# KiCad board ENV_KB_RGB.kicad_pcb
title: EnvKB; date: 2021-04-06; rev: Rev.1
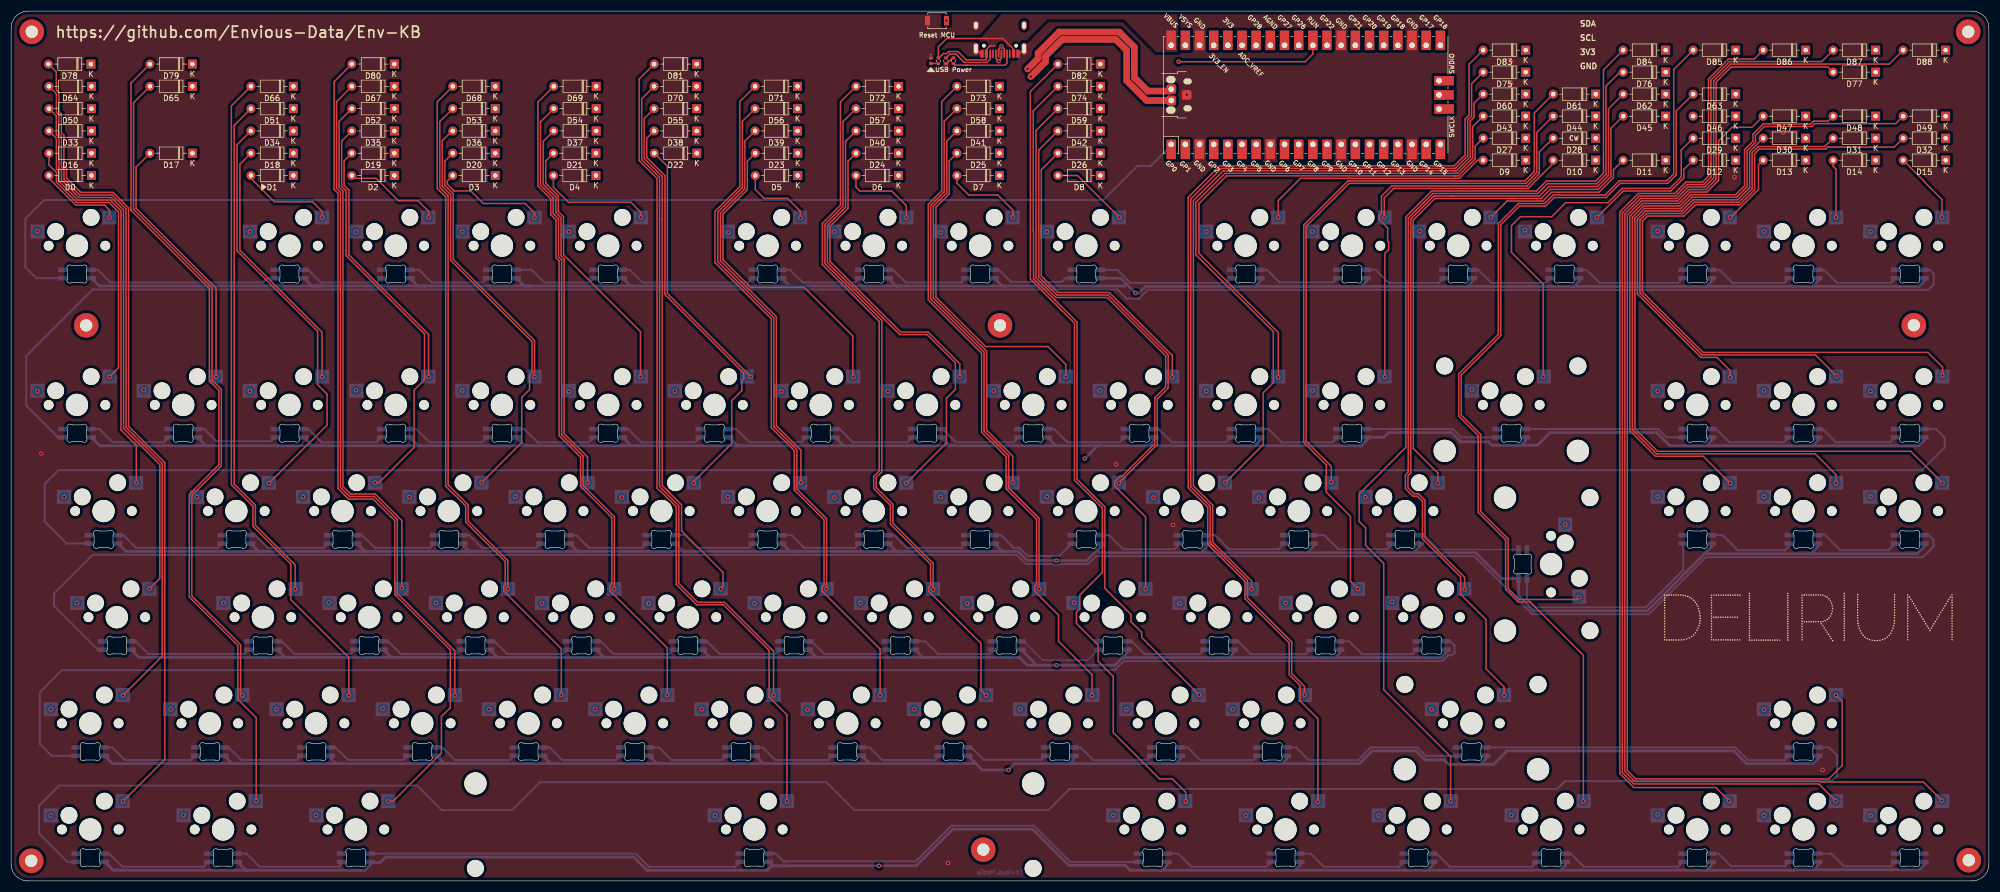
[diagram p0: board, top side]
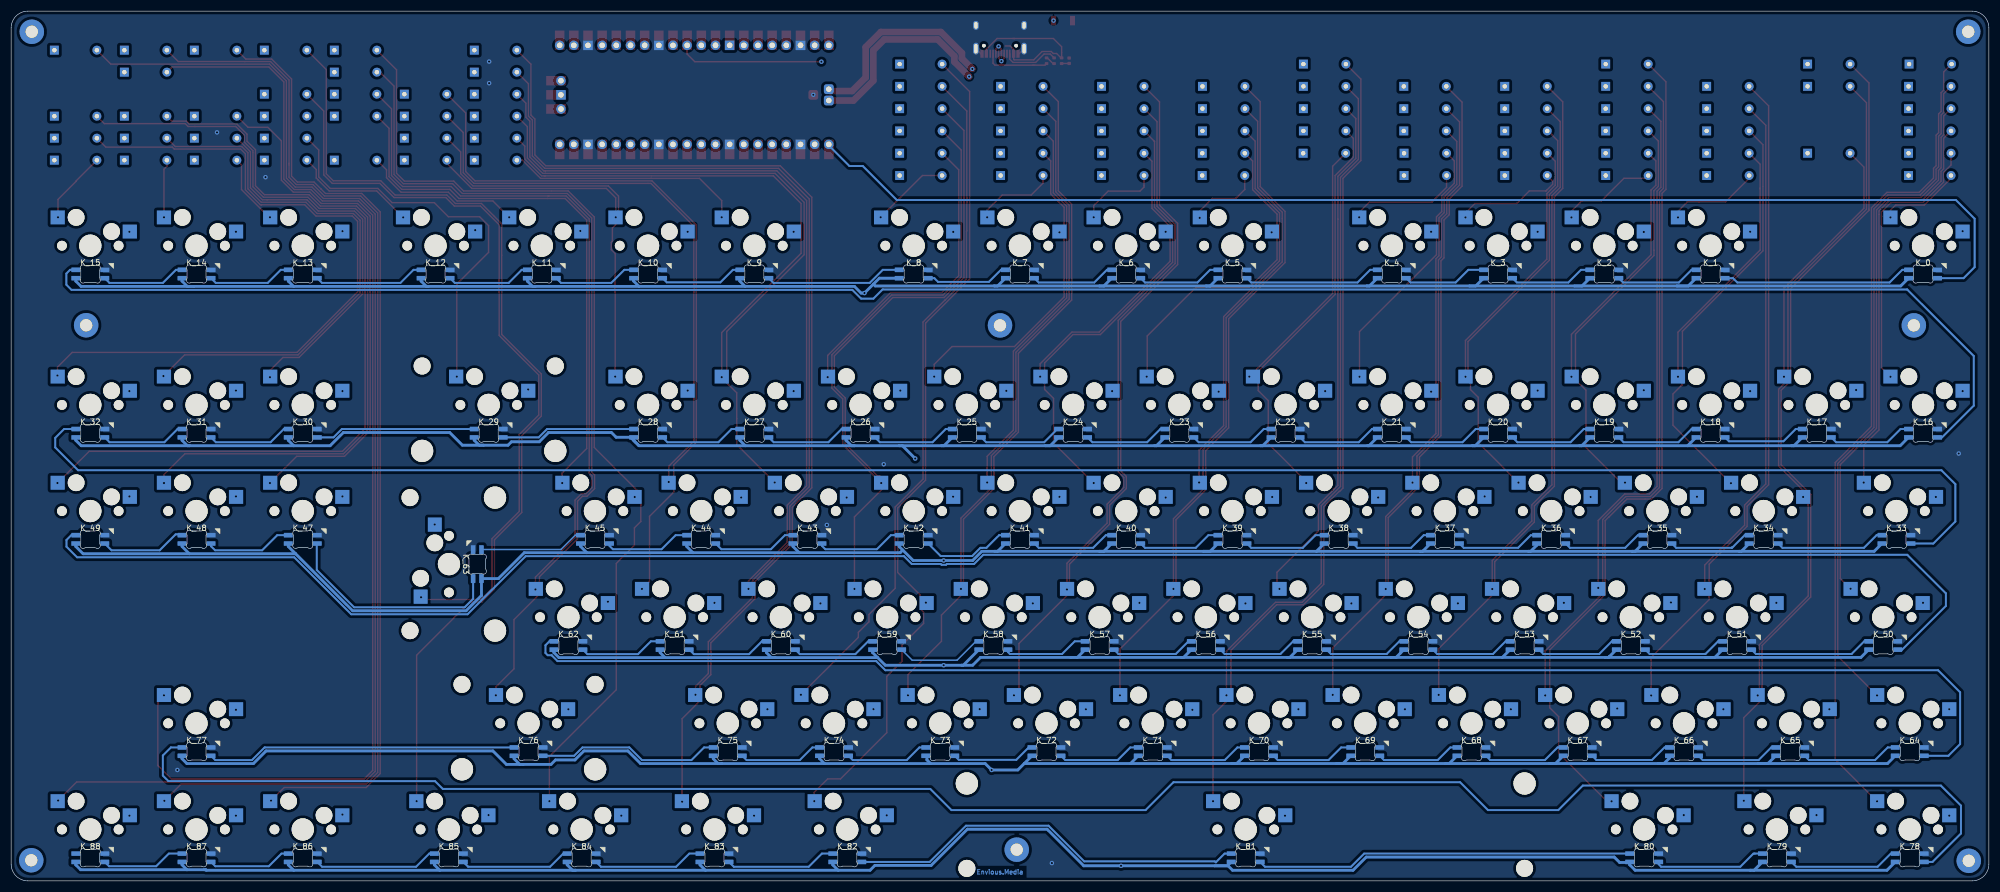
[diagram p1: board, bottom side, seen from below]

Outline 354.6 x 156.1 mm; copper layers: Top, In1.Cu, In2.Cu, Bottom. Coordinates in mm from the lower left corner of the outline.
Outline path: 0,153.1 arc(0.88,155.22) 3,156.1 351.6,156.1 arc(353.72,155.22) 354.6,153.1 354.6,3 arc(353.72,0.88) 351.6,0 3,0 arc(0.88,0.88) 0,3 0,153.1

## Placement (name value [footprint] x y rotation side)
D0  D  [D_DO-35_SOD27_P7.62mm_Horizontal]  14.4 126.6 180 top
D1  D  [D_DO-35_SOD27_P7.62mm_Horizontal]  50.6 126.6 180 top
D2  D  [D_DO-35_SOD27_P7.62mm_Horizontal]  68.7 126.6 180 top
D3  D  [D_DO-35_SOD27_P7.62mm_Horizontal]  86.8 126.6 180 top
D4  D  [D_DO-35_SOD27_P7.62mm_Horizontal]  104.85 126.6 180 top
D5  D  [D_DO-35_SOD27_P7.62mm_Horizontal]  141.04 126.6 180 top
D6  D  [D_DO-35_SOD27_P7.62mm_Horizontal]  159.1 126.6 180 top
D7  D  [D_DO-35_SOD27_P7.62mm_Horizontal]  177.2 126.6 180 top
D8  D  [D_DO-35_SOD27_P7.62mm_Horizontal]  195.3 126.6 180 top
D9  D  [D_DO-35_SOD27_P7.62mm_Horizontal]  271.55 129.35 180 top
D10  D  [D_DO-35_SOD27_P7.62mm_Horizontal]  284.1 129.35 180 top
D11  D  [D_DO-35_SOD27_P7.62mm_Horizontal]  296.65 129.35 180 top
D12  D  [D_DO-35_SOD27_P7.62mm_Horizontal]  309.2 129.35 180 top
D13  D  [D_DO-35_SOD27_P7.62mm_Horizontal]  321.75 129.35 180 top
D14  D  [D_DO-35_SOD27_P7.62mm_Horizontal]  334.3 129.35 180 top
D15  D  [D_DO-35_SOD27_P7.62mm_Horizontal]  346.85 129.35 180 top
D16  D  [D_DO-35_SOD27_P7.62mm_Horizontal]  14.4 130.6 180 top
D17  D  [D_DO-35_SOD27_P7.62mm_Horizontal]  32.5 130.6 180 top
D18  D  [D_DO-35_SOD27_P7.62mm_Horizontal]  50.6 130.6 180 top
D19  D  [D_DO-35_SOD27_P7.62mm_Horizontal]  68.7 130.6 180 top
D20  D  [D_DO-35_SOD27_P7.62mm_Horizontal]  86.8 130.6 180 top
D21  D  [D_DO-35_SOD27_P7.62mm_Horizontal]  104.85 130.6 180 top
D22  D  [D_DO-35_SOD27_P7.62mm_Horizontal]  122.94 130.6 180 top
D23  D  [D_DO-35_SOD27_P7.62mm_Horizontal]  141.03 130.6 180 top
D24  D  [D_DO-35_SOD27_P7.62mm_Horizontal]  159.1 130.6 180 top
D25  D  [D_DO-35_SOD27_P7.62mm_Horizontal]  177.2 130.6 180 top
D26  D  [D_DO-35_SOD27_P7.62mm_Horizontal]  195.3 130.6 180 top
D27  D  [D_DO-35_SOD27_P7.62mm_Horizontal]  271.55 133.3 180 top
D28  D  [D_DO-35_SOD27_P7.62mm_Horizontal]  284.1 133.3 180 top
D29  D  [D_DO-35_SOD27_P7.62mm_Horizontal]  309.2 133.3 180 top
D30  D  [D_DO-35_SOD27_P7.62mm_Horizontal]  321.75 133.3 180 top
D31  D  [D_DO-35_SOD27_P7.62mm_Horizontal]  334.3 133.3 180 top
D32  D  [D_DO-35_SOD27_P7.62mm_Horizontal]  346.85 133.3 180 top
D33  D  [D_DO-35_SOD27_P7.62mm_Horizontal]  14.4 134.6 180 top
D34  D  [D_DO-35_SOD27_P7.62mm_Horizontal]  50.6 134.6 180 top
D35  D  [D_DO-35_SOD27_P7.62mm_Horizontal]  68.7 134.6 180 top
D36  D  [D_DO-35_SOD27_P7.62mm_Horizontal]  86.8 134.6 180 top
D37  D  [D_DO-35_SOD27_P7.62mm_Horizontal]  104.9 134.6 180 top
D38  D  [D_DO-35_SOD27_P7.62mm_Horizontal]  122.9 134.6 180 top
D39  D  [D_DO-35_SOD27_P7.62mm_Horizontal]  141 134.6 180 top
D40  D  [D_DO-35_SOD27_P7.62mm_Horizontal]  159.1 134.6 180 top
D41  D  [D_DO-35_SOD27_P7.62mm_Horizontal]  177.2 134.6 180 top
D42  D  [D_DO-35_SOD27_P7.62mm_Horizontal]  195.3 134.6 180 top
D43  D  [D_DO-35_SOD27_P7.62mm_Horizontal]  271.55 137.25 180 top
D44  D  [D_DO-35_SOD27_P7.62mm_Horizontal]  284.1 137.25 180 top
D45  D  [D_DO-35_SOD27_P7.62mm_Horizontal]  296.65 137.25 180 top
D46  D  [D_DO-35_SOD27_P7.62mm_Horizontal]  309.2 137.25 180 top
D47  D  [D_DO-35_SOD27_P7.62mm_Horizontal]  321.75 137.25 180 top
D48  D  [D_DO-35_SOD27_P7.62mm_Horizontal]  334.3 137.25 180 top
D49  D  [D_DO-35_SOD27_P7.62mm_Horizontal]  346.85 137.25 180 top
D50  D  [D_DO-35_SOD27_P7.62mm_Horizontal]  14.4 138.6 180 top
D51  D  [D_DO-35_SOD27_P7.62mm_Horizontal]  50.6 138.6 180 top
D52  D  [D_DO-35_SOD27_P7.62mm_Horizontal]  68.7 138.6 180 top
D53  D  [D_DO-35_SOD27_P7.62mm_Horizontal]  86.8 138.6 180 top
D54  D  [D_DO-35_SOD27_P7.62mm_Horizontal]  104.9 138.6 180 top
D55  D  [D_DO-35_SOD27_P7.62mm_Horizontal]  122.9 138.6 180 top
D56  D  [D_DO-35_SOD27_P7.62mm_Horizontal]  141 138.6 180 top
D57  D  [D_DO-35_SOD27_P7.62mm_Horizontal]  159.1 138.6 180 top
D58  D  [D_DO-35_SOD27_P7.62mm_Horizontal]  177.2 138.6 180 top
D59  D  [D_DO-35_SOD27_P7.62mm_Horizontal]  195.3 138.6 180 top
D60  D  [D_DO-35_SOD27_P7.62mm_Horizontal]  271.55 141.2 180 top
D61  D  [D_DO-35_SOD27_P7.62mm_Horizontal]  284.1 141.2 180 top
D62  D  [D_DO-35_SOD27_P7.62mm_Horizontal]  296.65 141.2 180 top
D63  D  [D_DO-35_SOD27_P7.62mm_Horizontal]  309.2 141.2 180 top
D64  D  [D_DO-35_SOD27_P7.62mm_Horizontal]  14.4 142.6 180 top
D65  D  [D_DO-35_SOD27_P7.62mm_Horizontal]  32.5 142.6 180 top
D66  D  [D_DO-35_SOD27_P7.62mm_Horizontal]  50.6 142.6 180 top
D67  D  [D_DO-35_SOD27_P7.62mm_Horizontal]  68.7 142.6 180 top
D68  D  [D_DO-35_SOD27_P7.62mm_Horizontal]  86.8 142.6 180 top
D69  D  [D_DO-35_SOD27_P7.62mm_Horizontal]  104.9 142.6 180 top
D70  D  [D_DO-35_SOD27_P7.62mm_Horizontal]  122.9 142.6 180 top
D71  D  [D_DO-35_SOD27_P7.62mm_Horizontal]  141 142.6 180 top
D72  D  [D_DO-35_SOD27_P7.62mm_Horizontal]  159.1 142.6 180 top
D73  D  [D_DO-35_SOD27_P7.62mm_Horizontal]  177.2 142.6 180 top
D74  D  [D_DO-35_SOD27_P7.62mm_Horizontal]  195.3 142.6 180 top
D75  D  [D_DO-35_SOD27_P7.62mm_Horizontal]  271.55 145.15 180 top
D76  D  [D_DO-35_SOD27_P7.62mm_Horizontal]  296.65 145.15 180 top
D77  D  [D_DO-35_SOD27_P7.62mm_Horizontal]  334.3 145.15 180 top
D78  D  [D_DO-35_SOD27_P7.62mm_Horizontal]  14.3 146.6 180 top
D79  D  [D_DO-35_SOD27_P7.62mm_Horizontal]  32.5 146.6 180 top
D80  D  [D_DO-35_SOD27_P7.62mm_Horizontal]  68.7 146.6 180 top
D81  D  [D_DO-35_SOD27_P7.62mm_Horizontal]  122.9 146.6 180 top
D82  D  [D_DO-35_SOD27_P7.62mm_Horizontal]  195.3 146.6 180 top
D83  D  [D_DO-35_SOD27_P7.62mm_Horizontal]  271.55 149.1 180 top
D84  D  [D_DO-35_SOD27_P7.62mm_Horizontal]  296.65 149.1 180 top
D85  D  [D_DO-35_SOD27_P7.62mm_Horizontal]  309.2 149.1 180 top
D86  D  [D_DO-35_SOD27_P7.62mm_Horizontal]  321.75 149.1 180 top
D87  D  [D_DO-35_SOD27_P7.62mm_Horizontal]  334.3 149.1 180 top
D88  D  [D_DO-35_SOD27_P7.62mm_Horizontal]  346.85 149.1 180 top
G***  LOGO  [KBLogo]  322.2 47.32 0 top
H0  MountingHole  [MountingHole_2.2mm_M2_Pad]  3.7 152.4 0 top
H1  MountingHole  [MountingHole_2.2mm_M2_Pad]  350.9 152.4 0 top
H3  MountingHole  [MountingHole_2.2mm_M2_Pad]  3.6 3.6 0 top
H4  MountingHole  [MountingHole_2.2mm_M2_Pad]  351 3.7 0 top
H6  MountingHole  [MountingHole_2.2mm_M2_Pad]  177.3 99.7 0 top
H7  MountingHole  [MountingHole_2.2mm_M2_Pad]  174.3 5.6 0 top
H9  MountingHole  [MountingHole_2.2mm_M2_Pad]  13.45 99.7 0 top
H10  MountingHole  [MountingHole_2.2mm_M2_Pad]  341.15 99.72 0 top
K_0  KEYSW  [MXOnly-1U-Hotswap]  11.8 114 0 top
K_1  KEYSW  [MXOnly-1U-Hotswap]  49.9 114 0 top
K_2  KEYSW  [MXOnly-1U-Hotswap]  68.95 114 0 top
K_3  KEYSW  [MXOnly-1U-Hotswap]  88 114 0 top
K_4  KEYSW  [MXOnly-1U-Hotswap]  107.05 114 0 top
K_5  KEYSW  [MXOnly-1U-Hotswap]  135.62 114 0 top
K_6  KEYSW  [MXOnly-1U-Hotswap]  154.68 114 0 top
K_7  KEYSW  [MXOnly-1U-Hotswap]  173.73 114 0 top
K_8  KEYSW  [MXOnly-1U-Hotswap]  192.77 114 0 top
K_9  KEYSW  [MXOnly-1U-Hotswap]  221.35 114 0 top
K_10  KEYSW  [MXOnly-1U-Hotswap]  240.4 114 0 top
K_11  KEYSW  [MXOnly-1U-Hotswap]  259.45 114 0 top
K_12  KEYSW  [MXOnly-1U-Hotswap]  278.5 114 0 top
K_13  KEYSW  [MXOnly-1U-Hotswap]  302.31 114 0 top
K_14  KEYSW  [MXOnly-1U-Hotswap]  321.36 114 0 top
K_15  KEYSW  [MXOnly-1U-Hotswap]  340.41 114 0 top
K_16  KEYSW  [MXOnly-1U-Hotswap]  11.8 85.42 0 top
K_17  KEYSW  [MXOnly-1U-Hotswap]  30.85 85.42 0 top
K_18  KEYSW  [MXOnly-1U-Hotswap]  49.9 85.42 0 top
K_19  KEYSW  [MXOnly-1U-Hotswap]  68.95 85.42 0 top
K_20  KEYSW  [MXOnly-1U-Hotswap]  88 85.42 0 top
K_21  KEYSW  [MXOnly-1U-Hotswap]  107.05 85.42 0 top
K_22  KEYSW  [MXOnly-1U-Hotswap]  126.1 85.42 0 top
K_23  KEYSW  [MXOnly-1U-Hotswap]  145.15 85.42 0 top
K_24  KEYSW  [MXOnly-1U-Hotswap]  164.2 85.42 0 top
K_25  KEYSW  [MXOnly-1U-Hotswap]  183.25 85.42 0 top
K_26  KEYSW  [MXOnly-1U-Hotswap]  202.3 85.42 0 top
K_27  KEYSW  [MXOnly-1U-Hotswap]  221.35 85.42 0 top
K_28  KEYSW  [MXOnly-1U-Hotswap]  240.4 85.42 0 top
K_29  KEYSW  [MXOnly-2U-Hotswap]  268.97 85.42 0 top
K_30  KEYSW  [MXOnly-1U-Hotswap]  302.31 85.42 0 top
K_31  KEYSW  [MXOnly-1U-Hotswap]  321.36 85.42 0 top
K_32  KEYSW  [MXOnly-1U-Hotswap]  340.41 85.42 0 top
K_33  KEYSW  [MXOnly-1.5U-Hotswap]  16.56 66.38 0 top
K_34  KEYSW  [MXOnly-1U-Hotswap]  40.38 66.38 0 top
K_35  KEYSW  [MXOnly-1U-Hotswap]  59.42 66.38 0 top
K_36  KEYSW  [MXOnly-1U-Hotswap]  78.48 66.38 0 top
K_37  KEYSW  [MXOnly-1U-Hotswap]  97.52 66.38 0 top
K_38  KEYSW  [MXOnly-1U-Hotswap]  116.58 66.38 0 top
K_39  KEYSW  [MXOnly-1U-Hotswap]  135.62 66.38 0 top
K_40  KEYSW  [MXOnly-1U-Hotswap]  154.68 66.38 0 top
K_41  KEYSW  [MXOnly-1U-Hotswap]  173.73 66.38 0 top
K_42  KEYSW  [MXOnly-1U-Hotswap]  192.77 66.38 0 top
K_43  KEYSW  [MXOnly-1U-Hotswap]  211.82 66.38 0 top
K_44  KEYSW  [MXOnly-1U-Hotswap]  230.88 66.38 0 top
K_45  KEYSW  [MXOnly-1U-Hotswap]  249.93 66.38 0 top
K_47  KEYSW  [MXOnly-1U-Hotswap]  302.31 66.38 0 top
K_48  KEYSW  [MXOnly-1U-Hotswap]  321.36 66.38 0 top
K_49  KEYSW  [MXOnly-1U-Hotswap]  340.41 66.38 0 top
K_50  KEYSW  [MXOnly-1.75U-Hotswap]  18.94 47.32 0 top
K_51  KEYSW  [MXOnly-1U-Hotswap]  45.14 47.32 0 top
K_52  KEYSW  [MXOnly-1U-Hotswap]  64.19 47.32 0 top
K_53  KEYSW  [MXOnly-1U-Hotswap]  83.24 47.32 0 top
K_54  KEYSW  [MXOnly-1U-Hotswap]  102.29 47.32 0 top
K_55  KEYSW  [MXOnly-1U-Hotswap]  121.34 47.32 0 top
K_56  KEYSW  [MXOnly-1U-Hotswap]  140.39 47.32 0 top
K_57  KEYSW  [MXOnly-1U-Hotswap]  159.44 47.32 0 top
K_58  KEYSW  [MXOnly-1U-Hotswap]  178.49 47.32 0 top
K_59  KEYSW  [MXOnly-1U-Hotswap]  197.54 47.32 0 top
K_60  KEYSW  [MXOnly-1U-Hotswap]  216.59 47.32 0 top
K_61  KEYSW  [MXOnly-1U-Hotswap]  235.64 47.32 0 top
K_62  KEYSW  [MXOnly-1U-Hotswap]  254.69 47.32 0 top
K_63  MX-NoLED  [MXOnly-2U-Hotswap]  276.1 56.85 270 top
K_64  KEYSW  [MXOnly-1.25U-Hotswap]  14.18 28.28 0 top
K_65  KEYSW  [MXOnly-1U-Hotswap]  35.61 28.28 0 top
K_66  KEYSW  [MXOnly-1U-Hotswap]  54.66 28.28 0 top
K_67  KEYSW  [MXOnly-1U-Hotswap]  73.71 28.28 0 top
K_68  KEYSW  [MXOnly-1U-Hotswap]  92.76 28.28 0 top
K_69  KEYSW  [MXOnly-1U-Hotswap]  111.81 28.28 0 top
K_70  KEYSW  [MXOnly-1U-Hotswap]  130.86 28.28 0 top
K_71  KEYSW  [MXOnly-1U-Hotswap]  149.91 28.28 0 top
K_72  KEYSW  [MXOnly-1U-Hotswap]  168.96 28.28 0 top
K_73  KEYSW  [MXOnly-1U-Hotswap]  188.01 28.28 0 top
K_74  KEYSW  [MXOnly-1U-Hotswap]  207.06 28.28 0 top
K_75  KEYSW  [MXOnly-1U-Hotswap]  226.11 28.28 0 top
K_76  KEYSW  [MXOnly-2.75U-Hotswap]  261.83 28.28 0 top
K_77  KEYSW  [MXOnly-1U-Hotswap]  321.36 28.28 0 top
K_78  KEYSW  [MXOnly-1.25U-Hotswap]  14.18 9.22 0 top
K_79  KEYSW  [MXOnly-1.25U-Hotswap]  37.99 9.22 0 top
K_80  KEYSW  [MXOnly-1.25U-Hotswap]  61.81 9.22 0 top
K_81  KEYSW  [MXOnly-6.25U-Hotswap-ReversedStabilizers]  133.24 9.22 0 top
K_82  KEYSW  [MXOnly-1.25U-Hotswap]  204.68 9.22 0 top
K_83  KEYSW  [MXOnly-1.25U-Hotswap]  228.49 9.22 0 top
K_84  KEYSW  [MXOnly-1.25U-Hotswap]  252.31 9.22 0 top
K_85  KEYSW  [MXOnly-1.25U-Hotswap]  276.12 9.22 0 top
K_86  KEYSW  [MXOnly-1U-Hotswap]  302.31 9.22 0 top
K_87  KEYSW  [MXOnly-1U-Hotswap]  321.36 9.22 0 top
K_88  KEYSW  [MXOnly-1U-Hotswap]  340.41 9.22 0 top
LED1  SK6812MINI-E  [MX_SK6812MINI-E_REV]  11.8 114 0 top
LED2  SK6812MINI-E  [MX_SK6812MINI-E_REV]  49.9 114 0 top
LED3  SK6812MINI-E  [MX_SK6812MINI-E_REV]  68.95 114 0 top
LED4  SK6812MINI-E  [MX_SK6812MINI-E_REV]  88 114 0 top
LED5  SK6812MINI-E  [MX_SK6812MINI-E_REV]  107.05 114 0 top
LED6  SK6812MINI-E  [MX_SK6812MINI-E_REV]  135.62 114 0 top
LED7  SK6812MINI-E  [MX_SK6812MINI-E_REV]  154.68 114 0 top
LED8  SK6812MINI-E  [MX_SK6812MINI-E_REV]  173.73 114 0 top
LED9  SK6812MINI-E  [MX_SK6812MINI-E_REV]  192.77 114 0 top
LED10  SK6812MINI-E  [MX_SK6812MINI-E_REV]  221.35 114 0 top
LED11  SK6812MINI-E  [MX_SK6812MINI-E_REV]  240.4 114 0 top
LED12  SK6812MINI-E  [MX_SK6812MINI-E_REV]  259.45 114 0 top
LED13  SK6812MINI-E  [MX_SK6812MINI-E_REV]  278.5 114 0 top
LED14  SK6812MINI-E  [MX_SK6812MINI-E_REV]  302.31 114 0 top
LED15  SK6812MINI-E  [MX_SK6812MINI-E_REV]  321.36 114 0 top
LED16  SK6812MINI-E  [MX_SK6812MINI-E_REV]  340.41 114 0 top
LED17  SK6812MINI-E  [MX_SK6812MINI-E_REV]  11.8 85.42 0 top
LED18  SK6812MINI-E  [MX_SK6812MINI-E_REV]  30.85 85.42 0 top
LED19  SK6812MINI-E  [MX_SK6812MINI-E_REV]  49.9 85.42 0 top
LED20  SK6812MINI-E  [MX_SK6812MINI-E_REV]  68.95 85.42 0 top
LED21  SK6812MINI-E  [MX_SK6812MINI-E_REV]  88 85.42 0 top
LED22  SK6812MINI-E  [MX_SK6812MINI-E_REV]  107.05 85.42 0 top
LED23  SK6812MINI-E  [MX_SK6812MINI-E_REV]  126.1 85.42 0 top
LED24  SK6812MINI-E  [MX_SK6812MINI-E_REV]  145.15 85.42 0 top
LED25  SK6812MINI-E  [MX_SK6812MINI-E_REV]  164.2 85.42 0 top
LED26  SK6812MINI-E  [MX_SK6812MINI-E_REV]  183.25 85.42 0 top
LED27  SK6812MINI-E  [MX_SK6812MINI-E_REV]  202.3 85.42 0 top
LED28  SK6812MINI-E  [MX_SK6812MINI-E_REV]  221.35 85.42 0 top
LED29  SK6812MINI-E  [MX_SK6812MINI-E_REV]  240.4 85.42 0 top
LED30  SK6812MINI-E  [MX_SK6812MINI-E_REV]  268.97 85.42 0 top
LED31  SK6812MINI-E  [MX_SK6812MINI-E_REV]  302.31 85.42 0 top
LED32  SK6812MINI-E  [MX_SK6812MINI-E_REV]  321.36 85.42 0 top
LED33  SK6812MINI-E  [MX_SK6812MINI-E_REV]  340.41 85.42 0 top
LED34  SK6812MINI-E  [MX_SK6812MINI-E_REV]  16.56 66.38 0 top
LED35  SK6812MINI-E  [MX_SK6812MINI-E_REV]  40.38 66.38 0 top
LED36  SK6812MINI-E  [MX_SK6812MINI-E_REV]  59.42 66.38 0 top
LED37  SK6812MINI-E  [MX_SK6812MINI-E_REV]  78.48 66.38 0 top
LED38  SK6812MINI-E  [MX_SK6812MINI-E_REV]  97.52 66.38 0 top
LED39  SK6812MINI-E  [MX_SK6812MINI-E_REV]  116.58 66.38 0 top
LED40  SK6812MINI-E  [MX_SK6812MINI-E_REV]  135.62 66.38 0 top
LED41  SK6812MINI-E  [MX_SK6812MINI-E_REV]  154.68 66.38 0 top
LED42  SK6812MINI-E  [MX_SK6812MINI-E_REV]  173.73 66.38 0 top
LED43  SK6812MINI-E  [MX_SK6812MINI-E_REV]  192.77 66.38 0 top
LED44  SK6812MINI-E  [MX_SK6812MINI-E_REV]  211.82 66.38 0 top
LED45  SK6812MINI-E  [MX_SK6812MINI-E_REV]  230.88 66.38 0 top
LED46  SK6812MINI-E  [MX_SK6812MINI-E_REV]  249.93 66.38 0 top
LED47  SK6812MINI-E  [MX_SK6812MINI-E_REV]  276.1 56.85 270 top
LED48  SK6812MINI-E  [MX_SK6812MINI-E_REV]  302.31 66.38 0 top
LED49  SK6812MINI-E  [MX_SK6812MINI-E_REV]  321.36 66.38 0 top
LED50  SK6812MINI-E  [MX_SK6812MINI-E_REV]  340.41 66.38 0 top
LED51  SK6812MINI-E  [MX_SK6812MINI-E_REV]  18.94 47.32 0 top
LED52  SK6812MINI-E  [MX_SK6812MINI-E_REV]  45.14 47.32 0 top
LED53  SK6812MINI-E  [MX_SK6812MINI-E_REV]  64.19 47.32 0 top
LED54  SK6812MINI-E  [MX_SK6812MINI-E_REV]  83.24 47.32 0 top
LED55  SK6812MINI-E  [MX_SK6812MINI-E_REV]  102.29 47.32 0 top
LED56  SK6812MINI-E  [MX_SK6812MINI-E_REV]  121.34 47.32 0 top
LED57  SK6812MINI-E  [MX_SK6812MINI-E_REV]  140.39 47.32 0 top
LED58  SK6812MINI-E  [MX_SK6812MINI-E_REV]  159.44 47.32 0 top
LED59  SK6812MINI-E  [MX_SK6812MINI-E_REV]  178.49 47.32 0 top
LED60  SK6812MINI-E  [MX_SK6812MINI-E_REV]  197.54 47.32 0 top
LED61  SK6812MINI-E  [MX_SK6812MINI-E_REV]  216.59 47.32 0 top
LED62  SK6812MINI-E  [MX_SK6812MINI-E_REV]  235.64 47.32 0 top
LED63  SK6812MINI-E  [MX_SK6812MINI-E_REV]  254.69 47.32 0 top
LED64  SK6812MINI-E  [MX_SK6812MINI-E_REV]  14.18 28.28 0 top
LED65  SK6812MINI-E  [MX_SK6812MINI-E_REV]  35.61 28.28 0 top
LED66  SK6812MINI-E  [MX_SK6812MINI-E_REV]  54.66 28.28 0 top
LED67  SK6812MINI-E  [MX_SK6812MINI-E_REV]  73.71 28.28 0 top
LED68  SK6812MINI-E  [MX_SK6812MINI-E_REV]  92.76 28.28 0 top
LED69  SK6812MINI-E  [MX_SK6812MINI-E_REV]  111.81 28.28 0 top
LED70  SK6812MINI-E  [MX_SK6812MINI-E_REV]  130.86 28.28 0 top
LED71  SK6812MINI-E  [MX_SK6812MINI-E_REV]  149.91 28.28 0 top
LED72  SK6812MINI-E  [MX_SK6812MINI-E_REV]  168.96 28.28 0 top
LED73  SK6812MINI-E  [MX_SK6812MINI-E_REV]  188.01 28.28 0 top
LED74  SK6812MINI-E  [MX_SK6812MINI-E_REV]  207.06 28.28 0 top
LED75  SK6812MINI-E  [MX_SK6812MINI-E_REV]  226.11 28.28 0 top
LED76  SK6812MINI-E  [MX_SK6812MINI-E_REV]  261.83 28.28 0 top
LED77  SK6812MINI-E  [MX_SK6812MINI-E_REV]  321.36 28.28 0 top
LED78  SK6812MINI-E  [MX_SK6812MINI-E_REV]  14.18 9.22 0 top
LED79  SK6812MINI-E  [MX_SK6812MINI-E_REV]  37.99 9.22 0 top
LED80  SK6812MINI-E  [MX_SK6812MINI-E_REV]  61.81 9.22 0 top
LED81  SK6812MINI-E  [MX_SK6812MINI-E_REV]  133.24 9.22 0 top
LED82  SK6812MINI-E  [MX_SK6812MINI-E_REV]  204.68 9.22 0 top
LED83  SK6812MINI-E  [MX_SK6812MINI-E_REV]  228.49 9.22 0 top
LED84  SK6812MINI-E  [MX_SK6812MINI-E_REV]  252.31 9.22 0 top
LED85  SK6812MINI-E  [MX_SK6812MINI-E_REV]  276.12 9.22 0 top
LED86  SK6812MINI-E  [MX_SK6812MINI-E_REV]  302.31 9.22 0 top
LED87  SK6812MINI-E  [MX_SK6812MINI-E_REV]  321.36 9.22 0 top
LED88  SK6812MINI-E  [MX_SK6812MINI-E_REV]  340.41 9.22 0 top
PowerLED0  LED 0402  [LED_0402_1005Metric]  164.9 147.2 270 top
PowerLedResistor0  1K Resistor 0402  [R_0402_1005Metric]  166.25 147.2 270 top
RESISTOR0  5.1kohm 0402  [R_0402_1005Metric]  167.6 147.2 270 top
RESISTOR1  5.1kohm 0402  [R_0402_1005Metric]  168.95 147.2 270 top
RPI0  Pico  [RPi_Pico_SMD_TH]  232.12 141.07 90 top
SW-RST0  B3U-1000  [SW_SPST_B3U-1000P]  166 154.4 180 top
USB1  -  [HRO-TYPE-C-31-M-12]  177.3 156.15 180 top

## Library data of the parts
LED1-LED88 = -: Field4: 1

## Footprints (pads in the part's own frame, mm; a bottom-side part is the same pattern mirrored in y, then rotated)
D_DO-35_SOD27_P7.62mm_Horizontal
  rect 1.6x1.6 hole 0.8: 1(0,0)
  oval 1.6x1.6 hole 0.8: 2(7.62,0)
HRO-TYPE-C-31-M-12
  round 0.65 hole 0.65 unplated: (-2.89,6.25) (2.89,6.25)
  rect 0.6x1.45 smd: 1(-3.225,7.695) 2(-2.45,7.695) 11(2.45,7.695) 12(3.225,7.695)
  rect 0.3x1.45 smd: 3(-1.75,7.695) 4(-1.25,7.695) 5(-0.75,7.695) 6(-0.25,7.695) 7(0.25,7.695) 8(0.75,7.695) 9(1.25,7.695) 10(1.75,7.695)
  oval 1x2.1 hole 0.6x1.7: 13(-4.32,6.78) 13(4.32,6.78)
  oval 1x1.6 hole 0.6x1.2: 13(-4.32,2.6) 13(4.32,2.6)
LED_0402_1005Metric
  rrect 0.59x0.64 smd: 1(-0.485,0) 2(0.485,0)
MountingHole_2.2mm_M2_Pad
  round 4.4 hole 2.2: 1(0,0)
MX_SK6812MINI-E_REV
  rrect 1.6x0.82 smd far side: 1(2.6,-5.83) 2(2.6,-4.33) 3(-2.6,-4.33) 4(-2.6,-5.83)
MXOnly-1.5U-Hotswap
  round 1.75 hole 1.75 unplated: (-5.08,0) (5.08,0)
  round 3 hole 3 unplated: (-3.81,2.54) (2.54,5.08)
  round 3.988 hole 3.988 unplated: (0,0)
  rect 2.55x2.5 smd far side: 1(-7.085,2.54) 2(5.842,5.08)
MXOnly-1.25U-Hotswap
  round 1.75 hole 1.75 unplated: (-5.08,0) (5.08,0)
  round 3 hole 3 unplated: (-3.81,2.54) (2.54,5.08)
  round 3.988 hole 3.988 unplated: (0,0)
  rect 2.55x2.5 smd far side: 1(-7.085,2.54) 2(5.842,5.08)
MXOnly-1.75U-Hotswap
  round 1.75 hole 1.75 unplated: (-5.08,0) (5.08,0)
  round 3 hole 3 unplated: (-3.81,2.54) (2.54,5.08)
  round 3.988 hole 3.988 unplated: (0,0)
  rect 2.55x2.5 smd far side: 1(-7.085,2.54) 2(5.842,5.08)
MXOnly-1U-Hotswap
  round 1.75 hole 1.75 unplated: (-5.08,0) (5.08,0)
  round 3 hole 3 unplated: (-3.81,2.54) (2.54,5.08)
  round 3.988 hole 3.988 unplated: (0,0)
  rect 2.55x2.5 smd far side: 1(-7.085,2.54) 2(5.842,5.08)
MXOnly-2.75U-Hotswap
  round 3.048 hole 3.048 unplated: (-11.938,6.985) (11.938,6.985)
  round 3.988 hole 3.988 unplated: (-11.938,-8.255) (0,0) (11.938,-8.255)
  round 1.75 hole 1.75 unplated: (-5.08,0) (5.08,0)
  round 3 hole 3 unplated: (-3.81,2.54) (2.54,5.08)
  rect 2.55x2.5 smd far side: 1(-7.085,2.54) 2(5.842,5.08)
MXOnly-2U-Hotswap
  round 3.048 hole 3.048 unplated: (-11.938,6.985) (11.938,6.985)
  round 3.988 hole 3.988 unplated: (-11.938,-8.255) (0,0) (11.938,-8.255)
  round 1.75 hole 1.75 unplated: (-5.08,0) (5.08,0)
  round 3 hole 3 unplated: (-3.81,2.54) (2.54,5.08)
  rect 2.55x2.5 smd far side: 1(-7.085,2.54) 2(5.842,5.08)
MXOnly-6.25U-Hotswap-ReversedStabilizers
  round 3.988 hole 3.988 unplated: (-50,8.255) (0,0) (50,8.255)
  round 3.048 hole 3.048 unplated: (-50,-6.985) (50,-6.985)
  round 1.75 hole 1.75 unplated: (-5.08,0) (5.08,0)
  round 3 hole 3 unplated: (-3.81,2.54) (2.54,5.08)
  rect 2.55x2.5 smd far side: 1(-7.085,2.54) 2(5.842,5.08)
R_0402_1005Metric
  rrect 0.54x0.64 smd: 1(-0.51,0) 2(0.51,0)
RPi_Pico_SMD_TH
  oval 1.35x1.7 smd: (-2.73,24.19) (2.73,24.19)
  oval 1.1x1.5 smd: (-2.42,21.19) (2.42,21.19)
  oval 1.7x1.7 hole 1.02: 1(-8.89,24.13) 2(-8.89,21.59) 4(-8.89,16.51) 5(-8.89,13.97) 6(-8.89,11.43) 7(-8.89,8.89) 9(-8.89,3.81) 10(-8.89,1.27) 11(-8.89,-1.27) 12(-8.89,-3.81) 14(-8.89,-8.89) 15(-8.89,-11.43) 16(-8.89,-13.97) 17(-8.89,-16.51) 19(-8.89,-21.59) 20(-8.89,-24.13) 21(8.89,-24.13) 22(8.89,-21.59) 24(8.89,-16.51) 25(8.89,-13.97) 26(8.89,-11.43) 27(8.89,-8.89) 29(8.89,-3.81) 30(8.89,-1.27) 31(8.89,1.27) 32(8.89,3.81) 34(8.89,8.89) 35(8.89,11.43) 36(8.89,13.97) 37(8.89,16.51) 39(8.89,21.59) 40(8.89,24.13) 41(-2.54,-23.9) 43(2.54,-23.9)
  rect 3.5x1.7 smd: 1(-8.89,24.13) 2(-8.89,21.59) 3(-8.89,19.05) 4(-8.89,16.51) 5(-8.89,13.97) 6(-8.89,11.43) 7(-8.89,8.89) 8(-8.89,6.35) 9(-8.89,3.81) 10(-8.89,1.27) 11(-8.89,-1.27) 12(-8.89,-3.81) 13(-8.89,-6.35) 14(-8.89,-8.89) 15(-8.89,-11.43) 16(-8.89,-13.97) 17(-8.89,-16.51) 18(-8.89,-19.05) 19(-8.89,-21.59) 20(-8.89,-24.13) 21(8.89,-24.13) 22(8.89,-21.59) 23(8.89,-19.05) 24(8.89,-16.51) 25(8.89,-13.97) 26(8.89,-11.43) 27(8.89,-8.89) 28(8.89,-6.35) 29(8.89,-3.81) 30(8.89,-1.27) 31(8.89,1.27) 32(8.89,3.81) 33(8.89,6.35) 34(8.89,8.89) 35(8.89,11.43) 36(8.89,13.97) 37(8.89,16.51) 38(8.89,19.05) 39(8.89,21.59) 40(8.89,24.13)
  rect 1.7x1.7 hole 1.02: 3(-8.89,19.05) 8(-8.89,6.35) 13(-8.89,-6.35) 18(-8.89,-19.05) 23(8.89,-19.05) 28(8.89,-6.35) 33(8.89,6.35) 38(8.89,19.05) 42(0,-23.9)
  rect 1.7x3.5 smd: 41(-2.54,-23.9) 42(0,-23.9) 43(2.54,-23.9)
  rrect 1.75x1.75 smd: TP1(0,21.35)
  rrect 1.75x1.75 hole 1: TP2(1.016,24.125) TP3(-1.016,24.125)
SW_SPST_B3U-1000P
  rect 0.9x1.7 smd: 1(-1.7,0) 2(1.7,0)
